# KiCad board cm4-baseboard.kicad_pcb (continued)
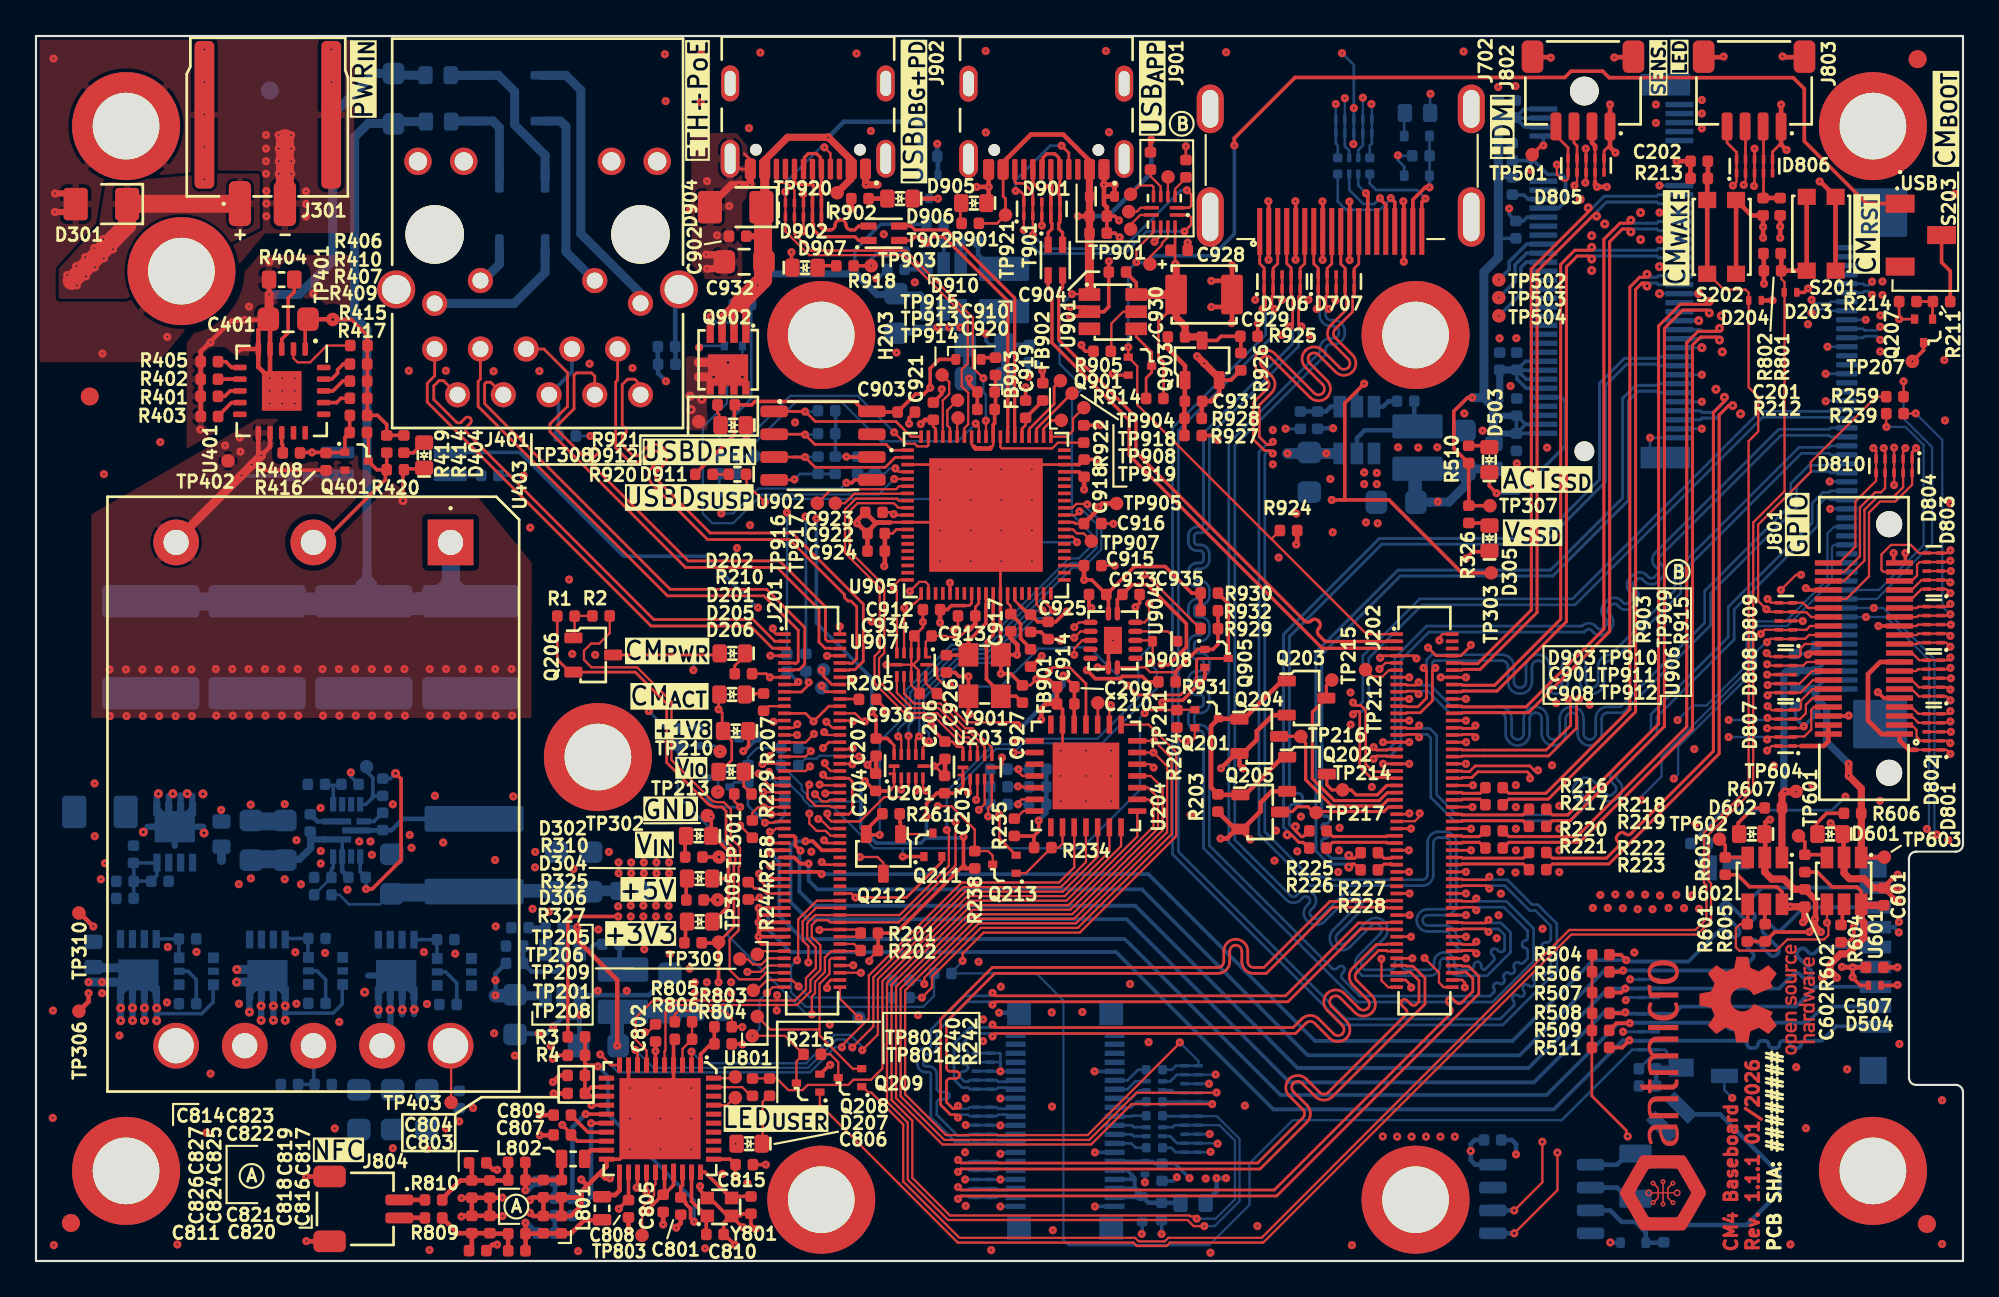
[diagram p0: board, top side]
## Nets
3V3_SSD: C501.2 C502.2 C503.2 C504.2 C505.2 C506.2 J501.2 J501.4 J501.12 J501.14 J501.16 J501.18 J501.70 J501.72 J501.74 R322.2 R326.2 R501.2 R502.2 R503.2 R510.2 TP307.1
+1V8: J201.88 J201.90 Q210.1 R202.2 R262.2 TP210.1
+3V3: C206.2 C207.2 C209.2 C210.2 C507.2 C602.1 C703.2 C802.2 C828.1 C935.2 C936.2 D207.2 D504.2 D711.2 D801.1 D801.10 D805.4 D805.7 D811.2 J401.15 J401.17 J502.4 J701.12 J801.1 J801.17 J802.2 Q206.2 R1.2 R4.2 R230.2 R232.2 R234.2 R235.2 R236.2 R323.2 R327.2 R504.1 R506.1 R507.1 R508.1 R509.1 R511.1 R512.2 R603.1 R802.2 R803.2 R805.2 R924.1 S201.1 S201.2 S202.1 S202.2 TP309.1 U201.11 U203.11 U204.5 U602.6 U801.6 U802.8 U904.14 U907.11
+5V: C601.1 C931.2 D201.2 D205.2 D206.2 D807.1 D807.10 FB701.1 FB702.1 J201.77 J201.79 J201.81 J201.83 J201.85 J201.87 J801.2 J801.4 Q202.2 Q203.2 Q204.2 Q205.2 Q903.2 R3.2 R203.1 R324.2 R325.2 R602.1 R801.2 R902.2 R926.1 R928.2 TP305.1 U601.6
/Ethernet/VDD: C401.2 C404.2 C405.2 C406.2 C407.2 D403.1 FB401.2 R406.2 R407.2 R409.2 R410.2 R414.2 R415.2 R419.2 TP401.1 U401.1 U403.1
/Ethernet/VSS: C401.1 D403.2 FB402.2 R401.1 R402.1 R403.2 R404.1 R405.1 U401.4 U401.5 U401.21
/Supply/VCC_5V: C311.2 R315.1 U303.9
/Supply/VCC_IN: C301.2 Q301.4 Q302.4 Q303.4 Q304.1 Q304.2 Q304.3 Q305.1 Q305.2 Q305.3 Q306.1 Q306.2 Q306.3 Q307.1 Q307.2 Q307.3 R307.2 R308.1 R328.2 TP310.1
/USB/+5V_{CAP}: C904.1 C928.1 C929.1 C930.2 Q903.3 R914.1 R915.2 R925.1 R926.2 U901.6 U906.12
/USB/VCC_PD: C910.1 C920.1 FB903.2 U905.66 U905.69
/USB/VCC_USB: C919.1 FB902.2 U905.62
GND: BT801.2 C201.1 C202.1 C203.1 C204.1 C206.1 C207.1 C209.1 C210.1 C303.2 C304.2 C305.2 C306.2 C307.2 C311.1 C312.2 C313.2 C314.2 C315.2 C316.2 C317.2 C318.2 C402.2 C403.2 C408.2 C409.2 C410.2 C411.2 C501.1 C502.1 C503.1 C504.1 C505.1 C506.1 C507.1 C601.2 C602.2 C603.1 C604.1 C701.1 C702.1 C703.1 C801.1 C802.1 C803.1 C804.2 C805.2 C806.2 C807.2 C808.2 C809.2 C810.1 C815.1 C816.1 C817.2 C818.1 C819.2 C824.1 C825.2 C826.1 C827.2 C828.2 C901.2 C902.1 C903.2 C904.2 C905.2 C907.2 C908.1 C909.2 C910.2 C911.2 C912.2 C913.2 C914.2 C915.2 C916.2 C917.2 C918.2 C919.2 C920.2 C921.2 C922.2 C923.2 C924.1 C925.2 C926.2 C927.2 C928.2 C929.2 C932.2 C933.1 C934.1 C935.1 C936.1 D203.1 D204.1 D301.2 D302.1 D303.2 D304.1 D305.1 D306.1 D501.3 D501.8 D502.1 D502.3 D502.8 D502.10 D504.1 D601.1 D602.1 D603.2 D604.2 D701.3 D701.8 D702.3 D702.8 D703.3 D703.4 D703.5 D703.6 D703.7 D703.8 D704.3 D704.8 D705.3 D705.8 D706.3 D706.8 D707.3 D707.8 D708.3 D708.8 D709.2 D711.1 D712.2 D801.3 D801.8 D802.3 D802.8 D803.3 D803.8 D804.3 D804.8 D805.3 D805.5 D805.6 D805.8 D806.3 D806.5 D806.6 D806.8 D807.3 D807.8 D808.3 D808.8 D809.3 D809.8 D810.3 D810.8 D901.3 D901.8 D902.3 D902.8 D903.2 D904.2 D905.1 D907.1 H101.1 H102.1 H103.1 H104.1 H201.1 H202.1 H203.1 H204.1 H501.1 H701.1 J201.1 J201.2 J201.7 J201.8 J201.13 J201.14 J201.22 J201.23 J201.32 J201.33 J201.42 J201.52 J201.53 J201.59 J201.60 J201.65 J201.66 J201.71 J201.74 J201.98 J202.7 J202.8 J202.13 J202.14 J202.19 J202.20 J202.25 J202.26 J202.31 J202.32 J202.37 J202.38 J202.44 J202.50 J202.55 J202.56 J202.61 J202.62 J202.67 J202.68 J202.73 J202.74 J202.79 J202.80 J202.85 J202.86 J202.91 J202.92 J202.97 J202.98 J301.2 J301.MP J501.1 J501.3 J501.9 J501.15 J501.21 J501.27 J501.33 J501.39 J501.45 J501.51 J501.57 J501.71 J501.73 J501.75 J501.MP1 J501.MP2 J502.6 J502.SH J601.9 J601.12 J601.15 J601.18 J601.27 J601.30 J601.MP1 J601.MP2 J701.1 J701.2 J701.7 J701.13 J701.14 J701.19 J701.25 J701.31 J701.32 J701.MP J702.2 J702.5 J702.8 J702.11 J702.17 J702.SH J801.6 J801.9 J801.20 J801.25 J801.34 J801.39 J802.1 J802.MP J803.1 J803.MP J804.MP J901.A1 J901.A12 J901.B1 J901.B12 J901.SH J902.A1 J902.A12 J902.B1 J902.B12 J902.SH Q201.2 Q207.2 Q208.2 Q210.2 Q211.2 Q213.2 Q214.2 Q901.2 Q904.2 Q905.2 Q906.2 R204.1 R205.1 R210.1 R212.1 R213.1 R214.2 R231.1 R233.1 R237.1 R260.1 R262.1 R263.1 R301.1 R302.1 R303.1 R304.1 R305.1 R306.1 R309.1 R312.1 R314.1 R317.1 R319.1 R321.1 R413.1 R421.2 R423.2 R513.2 R601.1 R604.1 R605.1 R804.1 R806.1 R905.1 R910.1 R913.1 R917.1 R922.1 R925.2 R927.1 R929.2 R934.2 TP302.1 U201.6 U203.6 U204.6 U204.29 U301.1 U302.1 U303.1 U303.11 U403.4 U403.5 U601.2 U602.2 U801.4 U801.9 U801.20 U801.41 U802.4 U901.2 U902.5 U903.1 U904.7 U904.15 U905.3 U905.11 U905.31 U905.55 U905.77 U906.10 U907.2 U907.3 U907.6 U907.9 U907.10 Y801.2 Y801.4 Y901.2 Y901.4
GNDD: C404.1 C405.1 C406.1 C407.1 D404.1 Q401.2 R416.1 R418.1 R420.1 TP402.1 U401.11 U401.12 U403.3
VCC: C302.2 C303.1 C304.1 C305.1 C306.1 C307.1 D303.1 Q307.5 R308.2 R310.2 R311.2 R313.2 TP301.1 U301.3 U302.3 U303.2
/Compute module/BT_nDis: J201.91 TP206.1
/Compute module/CAM_GPIO: J201.97 R208.1 R209.1 TP209.1
/Compute module/CM4_3V3: J201.84 J201.86 R201.2 R244.1
/Compute module/DSI0_C_N: J202.69
/Compute module/DSI0_C_P: J202.71
/Compute module/DSI.CLK_N: D703.1 D703.10 J202.87 J701.27
/Compute module/DSI.CLK_P: D703.2 D703.9 J202.89 J701.29
/Compute module/DSI.D0_N: D702.4 D702.7 J202.75 J701.21
/Compute module/DSI.D0_P: D702.5 D702.6 J202.77 J701.23
/Compute module/DSI.D1_N: D702.1 D702.10 J202.81 J701.15
/Compute module/DSI.D1_P: D702.2 D702.9 J202.83 J701.17
/Compute module/DSI.D2_N: D701.4 D701.7 J202.93 J701.9
/Compute module/DSI.D2_P: D701.5 D701.6 J202.95 J701.11
/Compute module/DSI.D3_N: D701.1 D701.10 J202.94 J701.3
/Compute module/DSI.D3_P: D701.2 D701.9 J202.96 J701.5
/Compute module/DSICtrl.DIM: D705.4 D705.7 R258.1 R706.6
/Compute module/DSICtrl.EN: D705.1 D705.10 R706.8 U204.23
/Compute module/DSICtrl.GPIO: D705.5 D705.6 R706.5 U204.25
/Compute module/DSICtrl.IRQ1: D704.4 D704.7 R705.6 U204.22
/Compute module/DSICtrl.~{IRQ2}: D704.5 D704.6 R705.5 U204.21
/Compute module/DSICtrl.~{RST}: D705.2 D705.9 R706.7 U204.24
/Compute module/ETHERNET.D0_N: J201.10 J401.2
/Compute module/ETHERNET.D0_P: J201.12 J401.1
/Compute module/ETHERNET.D1_N: J201.6 J401.6
/Compute module/ETHERNET.D1_P: J201.4 J401.3
/Compute module/ETHERNET.D2_N: J201.9 J401.8
/Compute module/ETHERNET.D2_P: J201.11 J401.7
/Compute module/ETHERNET.D3_N: J201.5 J401.10
/Compute module/ETHERNET.D3_P: J201.3 J401.9
/Compute module/ETHERNET.LED_ACT: J201.15 R411.2
/Compute module/ETHERNET.LED_LINK: J201.17 R412.2
/Compute module/ExpanderINT: Q213.1 R234.1 U204.16
/Compute module/GPIO.0/SDA0: D803.4 D803.7 J201.36 J801.27 R239.1 R243.1
/Compute module/GPIO.1/SCL0: D809.4 D809.7 J201.35 J801.28 R241.1 R259.1
/Compute module/GPIO.2: D801.2 D801.9 J201.58 J801.3
/Compute module/GPIO.3: D801.4 D801.7 J201.56 J801.5
/Compute module/GPIO.4/TXD3: D801.5 D801.6 J201.54 J801.7 U201.3
/Compute module/GPIO.5/RXD3: D803.5 D803.6 J201.34 J801.29 U201.2
/Compute module/GPIO.6: D804.1 D804.10 J201.30 J801.31
/Compute module/GPIO.7: D809.2 D809.9 J201.37 J801.26
/Compute module/GPIO.8/TXD4: D809.1 D809.10 J201.39 J801.24 U201.5
/Compute module/GPIO.9/RXD4: D803.1 D803.10 J201.40 J801.21 U201.4
/Compute module/GPIO.10: D802.5 D802.6 J201.44 J801.19
/Compute module/GPIO.11: D803.2 D803.9 J201.38 J801.23
/Compute module/GPIO.12/RXD5: D810.1 D810.10 J201.31 J801.32 U203.4
/Compute module/GPIO.13/TXD5: D804.2 D804.9 J201.28 J801.33 U203.5
/Compute module/GPIO.14/RXD0: D807.2 D807.9 J201.51 J801.8 U203.2
/Compute module/GPIO.15/TXD0: D807.4 D807.7 J201.55 J801.10 U203.3
/Compute module/GPIO.16: D810.2 D810.9 J201.29 J801.36
/Compute module/GPIO.17: D802.1 D802.10 J201.50 J801.11 Q212.3
/Compute module/GPIO.18: D807.5 D807.6 J201.49 J801.12 R258.2
/Compute module/GPIO.19: D804.4 D804.7 J201.26 J801.35
/Compute module/GPIO.20: D810.4 D810.7 J201.27 J801.38
/Compute module/GPIO.21: D810.5 D810.6 J201.25 J801.40
/Compute module/GPIO.22: D802.4 D802.7 J201.46 J801.15
/Compute module/GPIO.23: D808.2 D808.9 J201.47 J801.16 Q213.3 R238.2
/Compute module/GPIO.24: D808.4 D808.7 J201.45 J801.18
/Compute module/GPIO.25: D808.5 D808.6 J201.41 J801.22
/Compute module/GPIO.26: D804.5 D804.6 J201.24 J801.37
/Compute module/GPIO.27: D802.2 D802.9 J201.48 J801.13
/Compute module/GPIO.AIN0: D809.5 D809.6 J201.96 J801.30
/Compute module/GPIO.AIN1: D808.1 D808.10 J201.94 J801.14
/Compute module/HDMI.CEC: D708.2 D708.9 J202.51 R701.3
/Compute module/HDMI.CLK_N: D707.5 D707.6 J202.90 J702.12
/Compute module/HDMI.CLK_P: D707.4 D707.7 J202.88 J702.10
/Compute module/HDMI.D0_N: D707.2 D707.9 J202.84 J702.9
/Compute module/HDMI.D0_P: D707.1 D707.10 J202.82 J702.7
/Compute module/HDMI.D1_N: D706.5 D706.6 J202.78 J702.6
/Compute module/HDMI.D1_P: D706.4 D706.7 J202.76 J702.4
/Compute module/HDMI.D2_N: D706.2 D706.9 J202.72 J702.3
/Compute module/HDMI.D2_P: D706.1 D706.10 J202.70 J702.1
/Compute module/HDMI.HPD: D708.1 D708.10 J202.53 R701.4
/Compute module/HDMI.SCL: D708.4 D708.7 J202.100 R701.2
/Compute module/HDMI.SDA: D708.5 D708.6 J202.99 R701.1
/Compute module/nEXTRST: J201.100 TP202.1
/Compute module/NFC.DWL_REQ: U204.19 U801.2
/Compute module/NFC.EN: U204.17 U801.10
/Compute module/NFC.IRQ: U204.18 U801.8
/Compute module/NFC.WKUP_REQ: R240.2 U801.39
/Compute module/NVMe.CLK_N: J202.12 J501.53
/Compute module/NVMe.CLK_P: J202.10 J501.55
/Compute module/NVMe.RX0_N: J202.18 J501.41
/Compute module/NVMe.RX0_P: J202.16 J501.43
/Compute module/NVMe.RX1_N: J501.29 R219.1
/Compute module/NVMe.RX1_P: J501.31 R218.1
/Compute module/NVMe.RX2_N: J501.17 R225.2
/Compute module/NVMe.RX2_P: J501.19 R226.2
/Compute module/NVMe.RX3_N: J501.5 R223.1
/Compute module/NVMe.RX3_P: J501.7 R222.1
/Compute module/NVMe.TX0_N: J202.24 J501.47
/Compute module/NVMe.TX0_P: J202.22 J501.49
/Compute module/NVMe.TX1_N: J501.35 R217.1
/Compute module/NVMe.TX1_P: J501.37 R216.1
/Compute module/NVMe.TX2_N: J501.23 R221.1
/Compute module/NVMe.TX2_P: J501.25 R220.1
/Compute module/NVMe.TX3_N: J501.11 R227.2
/Compute module/NVMe.TX3_P: J501.13 R228.2
/Compute module/NVMe.~{CLK_REQ}: J202.2 J501.52 R502.1
/Compute module/NVMe.~{RST}: J202.9 J501.50 R501.1
/Compute module/NVMe_EN: TP303.1 U204.2 U301.5
/Compute module/Pf_5V.CEC: J202.49 Q205.3 TP217.1
/Compute module/Pf_5V.HPD: J202.43 Q202.3 TP214.1
/Compute module/Pf_5V.SCL: J202.47 Q204.3 TP216.1
/Compute module/Pf_5V.SDA: J202.45 Q203.3 TP215.1
/Compute module/PolarfireID: J201.43 Q201.1 Q211.1 R204.2 R260.2
/Compute module/R1_N: J202.54 R219.2
/Compute module/R1_P: J202.52 R218.2
/Compute module/R2_N: J202.57 R225.1
/Compute module/R2_P: J202.59 R226.1
/Compute module/R3_N: J202.66 R223.2
/Compute module/R3_P: J202.64 R222.2
/Compute module/RUN_PG: J201.92 Q209.2 TP201.1
/Compute module/SDIO.CD: D501.1 D501.10 R206.2 R505.2 U204.1
/Compute module/SDIO.CLK: D502.2 D502.9 J201.57 J502.5 R507.2
/Compute module/SDIO.CMD: D501.5 D501.6 J201.62 J502.3 R508.2
/Compute module/SDIO.D0: D502.4 D502.7 J201.63 J502.7 R506.2
/Compute module/SDIO.D1: D502.5 D502.6 J201.67 J502.8 R504.2
/Compute module/SDIO.D2: D501.2 D501.9 J201.69 J502.1 R511.2
/Compute module/SDIO.D3: D501.4 D501.7 J201.61 J502.2 R509.2
/Compute module/SYNC_IN: J201.16 TP203.1
/Compute module/SYNC_OUT: J201.18 TP204.1
/Compute module/T1_N: J202.48 R217.2
/Compute module/T1_P: J202.46 R216.2
/Compute module/T2_N: J202.60 R221.2
/Compute module/T2_P: J202.58 R220.2
/Compute module/T3_N: J202.63 R227.1
/Compute module/T3_P: J202.65 R228.1
/Compute module/UART.0.RX: U203.10 U905.8
/Compute module/UART.0.TX: U203.9 U905.9
/Compute module/UART.1.RX: U203.8 U907.7
/Compute module/UART.1.TX: U203.7 U907.8
/Compute module/UART.2.RX: U201.8 U905.36
/Compute module/UART.2.TX: U201.7 U905.37
/Compute module/UART.3.RX: U201.10 U905.48
/Compute module/UART.3.TX: U201.9 U905.49
/Compute module/USB.D_N: J202.3 T901.3
/Compute module/USB.D_P: J202.5 T901.2
/Compute module/USB.OTGID: J202.1 Q901.1 R924.2 S203.1 U906.9
/Compute module/USBA_VBUS: C901.1 C908.2 D903.1 J901.A4 J901.A9 J901.B4 J901.B9 Q212.2 R261.2 R901.2 R903.1 TP921.1 U901.1
/Compute module/VDAC_COMP: J202.11 TP212.1
/Compute module/WL_nDis: J201.89 TP205.1
/Compute module/~{EEPROM_WP}: J201.20 R205.2
/Compute module/~{POE EN}: U204.4 U402.1
/Compute module/~{PWR_LED}: J201.95 R2.1
/Compute module/~{RPi_BOOT}: J201.93 Q207.3 TP207.1
/Compute module/~{RPi_RST}: J201.99 Q208.3 R215.2 TP208.1
/CSI/CamCtrl.EN: R601.2 U204.26 U601.4 U602.4
/CSI/CamCtrl.VSYNC0: J601.32 R208.2 U204.27
/CSI/CamCtrl.VSYNC1: J601.34 R209.2 U204.28
/CSI/CSI0.CLK_N: J202.40 J601.10
/CSI/CSI0.CLK_P: J202.42 J601.11
/CSI/CSI0.D0_N: J202.28 J601.7
/CSI/CSI0.D0_P: J202.30 J601.8
/CSI/CSI0.D1_N: J202.34 J601.5
/CSI/CSI0.D1_P: J202.36 J601.6
/CSI/CSI1.CLK_N: J202.27 J601.28
/CSI/CSI1.CLK_P: J202.29 J601.29
/CSI/CSI1.D0_N: J202.15 J601.25
/CSI/CSI1.D0_P: J202.17 J601.26
/CSI/CSI1.D1_N: J202.21 J601.23
/CSI/CSI1.D1_P: J202.23 J601.24
/CSI/CSI1.D2_N: J202.33 J601.21
/CSI/CSI1.D2_P: J202.35 J601.22
/CSI/CSI1.D3_N: J202.39 J601.19
/CSI/CSI1.D3_P: J202.41 J601.20
/CSI/CSI_3V3: C603.2 D603.1 J601.47 J601.48 R607.2 TP604.1 U602.1
/CSI/CSI_5V: C604.2 D604.1 J601.49 J601.50 R606.2 TP603.1 U601.1
/CSI/I_{2}C1.SCL: D704.2 D704.9 D805.1 D805.10 D806.1 D806.10 J201.80 J601.42 J802.4 J803.4 R705.7 U204.8 U801.7 U802.6 U904.13
/CSI/I_{2}C1.SDA: D704.1 D704.10 D805.2 D805.9 D806.2 D806.9 D908.2 J201.82 J601.41 J802.3 J803.3 R705.8 U204.9 U801.5 U802.5 U904.11
/CSI/I_{2}C_CSI0.SCL: J601.40 R259.2
/CSI/I_{2}C_CSI0.SDA: J601.39 R239.2
/Display/CEC: J702.13 R701.6
/Display/HPD: J702.19 R701.5
/Display/SCL: J702.15 R701.7
/Display/SDA: J702.16 R701.8
/Ethernet/AMPS_CTL: R401.2 U401.8
/Ethernet/CLSA: R404.2 U401.3
/Ethernet/CLSB: R405.2 U401.6
/Ethernet/DEN: R406.1 U401.2
/Ethernet/MPS_DUTY: R403.1 U401.9
/Ethernet/PAIR_12: D401.3 J401.11
/Ethernet/PAIR_36: D401.4 J401.12
/Ethernet/PAIR_78: D402.4 J401.13
/Ethernet/PAIR_910: D402.3 J401.14
/Ethernet/PG: R408.2 U401.13
/Ethernet/POE_12V: C408.1 C409.1 C410.1 C411.1 Q302.6 Q305.5 R422.1 TP403.1 U403.7 U403.8
/Ethernet/POE_ACTIVE: Q401.1 R408.1 R415.1 R416.2 R417.2 U402.4
/Ethernet/REF: R402.2 U401.7
/Ethernet/TPH: R407.1 U401.18
/Ethernet/TPL: R409.1 U401.17
/Ethernet/ULS-12_CTRL: Q401.3 R417.1 R419.1 R420.2 U403.2
/Ethernet/~{BT}: R410.1 U401.19
/Peripherals/VLED: D806.4 D806.7 J803.2 R801.1 R802.1
/Supply/EN_3V3: R311.1 R312.2 U302.5
/Supply/EN_5V: R313.1 R314.2 U303.3
/Supply/FB_3V3: R320.1 R321.2 U302.4
/Supply/FB_5V: R316.1 R317.2 U303.12
/Supply/FB_M2: R318.1 R319.2 U301.4
/Supply/OUT_3V3: C314.1 C317.1 L302.2 R320.2 R323.1
/Supply/OUT_5V: C312.1 C315.1 C318.1 L303.2 R316.2 R324.1
/Supply/OUT_M2: C313.1 C316.1 L301.2 R318.2 R322.1
/Supply/SW_3V3: C309.1 L302.1 U302.2
/Supply/SW_5V: C310.1 L303.1 U303.8
/Supply/SW_M2: C308.1 L301.1 U301.2
/Supply/V_{BUS}: Q303.6 Q306.5 Q902.5 TP308.1
/USB/AD_N: D901.5 D901.6 J901.A7 J901.B7 T901.4
/USB/AD_P: D901.4 D901.7 J901.A6 J901.B6 T901.1
/USB/BDBUS0: U904.2 U905.19 U907.5
/USB/BDBUS1: U904.3 U905.20 U907.4
/USB/BDBUS2: U904.4 U905.21
/USB/DD_N: D902.5 D902.6 J902.A7 J902.B7 T902.4
/USB/DD_P: D902.4 D902.7 J902.A6 J902.B6 T902.1
/USB/EECLK: R908.2 U902.2 U905.1
/USB/EECS: R911.2 U902.1 U905.76
/USB/EEDATA: R907.2 U902.3 U905.2
/USB/EN_FTDI: R909.1 R910.2 U903.5
/USB/FB_FTDI: R912.1 R913.2 U903.4
/USB/I2C_EN: R931.2 U905.24
/USB/OUT_FTDI: C907.1 C911.1 L901.2 R912.2 R918.2 R919.1 TP903.1
/USB/SW_FTDI: C906.1 L901.1 U903.2
/USB/USB_1V2: C912.1 C914.1 C916.1 C921.1 C923.1 C925.1 TP905.1 U905.10 U905.27 U905.33 U905.47 U905.74
/USB/USB_3V3: C903.1 C913.1 C915.1 C918.1 C922.1 C924.2 C933.2 C934.2 D910.2 FB901.1 FB902.1 R906.1 R908.1 R911.1 R919.2 R920.2 R921.2 R923.2 R930.1 R932.2 U902.6 U902.8 U904.1 U905.12 U905.28 U905.41 U905.54 U907.1
/USB/USBA_CC1: D901.1 D901.10 J901.A5 U906.1
/USB/USBA_CC2: D901.2 D901.9 J901.B5 U906.2
/USB/USBA_OUT_EN: Q901.3 R914.2 U901.4
/USB/USBD.D_N: T902.3 U905.63
/USB/USBD.D_P: T902.2 U905.64
/USB/USBD_CC1: D902.1 D902.10 J902.A5 U905.70
/USB/USBD_CC2: D902.2 D902.9 J902.B5 U905.67
/USB/USBD_IN_EN: Q904.1 U905.5
/USB/USBD_SVBUS: C909.1 R916.2 R917.2 TP902.1 U905.68
/USB/USBD_VBUS: C902.2 C905.1 C932.1 D904.1 J902.A4 J902.A9 J902.B4 J902.B9 Q902.1 Q902.2 Q902.3 R904.1 R909.2 R916.1 R933.1 TP920.1 U903.3
/USB/VREGIN: C917.1 FB901.2 U905.32
V_{IO}: C203.2 C204.2 J201.78 Q214.1 R201.1 R202.1 R238.1 R241.2 R243.2 R263.2 TP213.1 U201.1 U201.12 U203.1 U203.12
Net-(BT801-+): BT801.1 R811.1
Net-(C403-Pad1): C403.1 J401.19 J401.20 R413.2
Net-(C811-Pad2): C811.2 C820.1 C821.2 C824.2 C826.2 R809.1
Net-(C812-Pad2): C812.2 R807.2
Net-(C813-Pad2): C813.2 R808.1
Net-(C814-Pad2): C814.2 C822.2 C823.1 C825.1 C827.1 R810.1
Net-(C816-Pad2): C816.2 C818.2 C820.2 C821.1 L801.2 R807.1
Net-(C817-Pad1): C817.1 C819.1 C822.1 C823.2 L802.2 R808.2
Net-(D201-C): D201.1 R207.2
Net-(D202-A): D202.2 Q206.3
Net-(D202-C): D202.1 R210.2
Net-(D203-A): C201.2 D203.2 Q208.1 R212.2 S201.3 S201.4
Net-(D204-A): C202.2 D204.2 Q209.1 R213.2 S202.3 S202.4
Net-(D205-C): D205.1 R224.2
Net-(D206-C): D206.1 R229.2
Net-(D207-C): D207.1 R242.2
Net-(D301-C): D301.1 J301.1 Q301.6 Q304.5 R328.1 TP306.1
Net-(D302-A): D302.2 R310.1
Net-(D304-A): D304.2 R325.1
Net-(D305-A): D305.2 R326.1
Net-(D306-A): D306.2 R327.1
Net-(D401-Pad1): D401.1 D402.1 FB402.1
Net-(D401-Pad2): D401.2 D402.2 FB401.1
Net-(D404-A): D404.2 R414.1
Net-(D503-A): D503.2 R510.1
Net-(D503-C): D503.1 J501.10
Net-(D601-A): D601.2 R606.1
Net-(D602-A): D602.2 R607.1
Net-(D709-C): C701.2 D709.1 FB702.2 J701.4 J701.6 J701.8 J701.10
Net-(D710-A): D710.2 FB701.2
Net-(D710-C): C702.2 D710.1 D712.1 J702.18
Net-(D811-C): D811.1 R811.2 U802.3
Net-(D905-A): D905.2 R901.1
Net-(D906-A): D906.2 R902.1
Net-(D906-C): D906.1 Q906.3
Net-(D907-A): D907.2 R918.1
Net-(D908-C): D908.1 U904.12
Net-(D910-C): D910.1 FB903.1
Net-(D911-A): D911.2 R920.1
Net-(D911-C): D911.1 U905.45
Net-(D912-A): D912.2 R921.1
Net-(D912-C): D912.1 U905.75
Net-(J201-Pad21): J201.21 R207.1
Net-(J201-Pad73): J201.73 R244.2
Net-(J201-Pad76): J201.76 R206.1
Net-(J401-LED_GRN-): J401.16 R412.1
Net-(J401-LED_YEL-): J401.18 R411.1
Net-(J401-P4): C402.1 J401.4 J401.5
Net-(J501-ALERT): J501.44 TP502.1
Net-(J501-SMB_CLK): J501.40 TP504.1
Net-(J501-SMB_DATA): J501.42 TP503.1
Net-(J501-SUSCLK): J501.68 TP501.1
Net-(J501-~{PEWAKE}): J501.54 R503.1
Net-(J502-CD1): J502.9 R512.1
Net-(J502-CD2): J502.10 R505.1 R513.1
Net-(J804-Pad1): J804.1 R810.2
Net-(J804-Pad2): J804.2 R809.2
Net-(Q201-D): Q201.3 Q202.1 Q203.1 Q204.1 Q205.1 R203.2
Net-(Q206-G): Q206.1 R1.1 R2.2
Net-(Q207-G): Q207.1 R211.2 R214.1
Net-(Q209-D): Q209.3 R215.1
Net-(Q210-D): Q210.3 R224.1
Net-(Q211-D): Q211.3 Q212.1 R261.1
Net-(Q214-D): Q214.3 R229.1
Net-(Q301-BIAS): Q301.3 Q304.4 R304.2
Net-(Q301-REF): Q301.2 R301.2
Net-(Q302-BIAS): Q302.3 Q305.4 R305.2
Net-(Q302-REF): Q302.2 R302.2
Net-(Q303-BIAS): Q303.3 Q306.4 R306.2
Net-(Q303-REF): Q303.2 R303.2
Net-(Q307-G): C301.1 C302.1 Q307.4 R307.1 R309.2
Net-(Q902-G): Q902.4 Q904.3 R904.2
Net-(Q903-G): C930.1 C931.1 Q903.1 R927.2 R928.1
Net-(Q905-D): Q905.3 R930.2 U907.12
Net-(Q905-G): Q905.1 R929.1 R931.1 R932.1 U904.8
Net-(Q906-G): Q906.1 R933.2 R934.1
Net-(R211-Pad1): R211.1 S203.2
Net-(R418-Pad2): R418.2 U402.3
Net-(R421-Pad1): R421.1 U402.2
Net-(R705-R1.1): J701.16 R705.1
Net-(R705-R2.1): J701.18 R705.2
Net-(R705-R3.1): J701.20 R705.3
Net-(R705-R4.1): J701.22 R705.4
Net-(R706-R1.1): J701.24 R706.1
Net-(R706-R2.1): J701.26 R706.2
Net-(R706-R3.1): J701.28 R706.3
Net-(R706-R4.1): J701.30 R706.4
Net-(U204-A0): R236.1 R237.2 U204.11
Net-(U204-A1): R232.1 R233.2 U204.12
Net-(U204-A2): R230.1 R231.2 U204.13
Net-(U204-GPA3): R240.1 R242.1 U204.20
Net-(U204-GPB6): TP211.1 U204.3
Net-(U204-~{RESET}): R235.1 U204.14
Net-(U301-BST): C308.2 U301.6
Net-(U302-BST): C309.2 U302.6
Net-(U303-BST): C310.2 U303.7
Net-(U303-PG): R315.2 TP304.1 U303.6
Net-(U403-TRIM): R422.2 R423.1 U403.6
Net-(U601-FLG): R602.2 TP601.1 U601.3
Net-(U601-ISET): R604.2 U601.5
Net-(U602-FLG): R603.2 TP602.1 U602.3
Net-(U602-ISET): R605.2 U602.5
Net-(U801-ANT1): C811.1 U801.23
Net-(U801-ANT2): C814.1 U801.24
Net-(U801-CLK_REQ): TP802.1 U801.40
Net-(U801-CLK_XTAL1): C815.2 U801.30 Y801.3
Net-(U801-DCDC_EN): TP801.1 U801.37
Net-(U801-I2C_ADR0): R803.1 R804.2 U801.1
Net-(U801-I2C_ADR1): R805.1 R806.2 U801.3
Net-(U801-RXN): C813.1 U801.15
Net-(U801-RXP): C812.1 U801.16
Net-(U801-TVDD_IN): C807.1 C808.1 U801.14 U801.18 U801.22
Net-(U801-TX1): L801.1 U801.21
Net-(U801-TX2): L802.1 U801.19
Net-(U801-V_{DD(A)}): C805.1 C806.1 U801.26 U801.27 U801.31
Net-(U801-V_{DD(HF)}): TP803.1 U801.25
Net-(U801-V_{DD(UP)}): C801.2 C803.2 C804.1 R3.1 R4.1 U801.12 U801.13 U801.28
Net-(U801-V_{DD(VMID)}): C809.1 U801.17
Net-(U801-XTAL2): C810.2 U801.29 Y801.1
Net-(U802-X1): U802.1 Y802.1
Net-(U802-X2): U802.2 Y802.2
Net-(U901-ISET): R905.2 U901.5
Net-(U902-DO): R906.2 R907.1 U902.4
Net-(U903-BST): C906.2 U903.6
Net-(U905-GPIO0): TP904.1 U905.61
Net-(U905-GPIO1): TP918.1 U905.60
Net-(U905-GPIO2): TP919.1 U905.59
Net-(U905-GPIO4): TP916.1 U905.6
Net-(U905-GPIO5): TP917.1 U905.7
Net-(U905-GPIO6): TP907.1 U905.46
Net-(U905-GPIO7): TP908.1 U905.58
Net-(U905-OSCI): C926.1 U905.29 Y901.1
Net-(U905-OSCO): C927.1 U905.30 Y901.3
Net-(U905-PD2_CC1): TP914.1 U905.71
Net-(U905-PD2_CC2): TP915.1 U905.73
Net-(U905-PD2_SVBUS): TP913.1 U905.72
Net-(U905-REF): R922.2 U905.65
Net-(U905-~{RESET}): R923.1 TP906.1 U905.4
Net-(U906-CURRENT_MODE): R915.1 U906.3
Net-(U906-DIR): TP901.1 U906.11
Net-(U906-OUT1): TP911.1 U906.7
Net-(U906-OUT2): TP912.1 U906.8
Net-(U906-PORT): TP909.1 U906.4
Net-(U906-VBUS_DET): R903.2 U906.5
Net-(U906-~{VCONN_FAULT}): TP910.1 U906.6

Pads without a net: J201 19 64 68 70 72 75; J202 4 6; J501 6 8 20 22 24 26 28 30 32 34 36 38 46 48 56 58 67 69; J601 1 2 3 4 13 14 16 17 31 33 35 36 37 38 43 44 45 46; J701 33 34 35 36 37 38 39 40; J702 14; J901 A8 B8; J902 A8 B8; Q301 1 5; Q302 1 5; Q303 1 5; S203 3; U204 7 10 15; U303 4 5 10; U401 10 14 15 16 20; U801 11 32 33 34 35 36 38; U802 7; U901 3; U902 7; U904 5 6 9 10; U905 13 14 15 16 17 18 22 23 25 26 34 35 38 39 40 42 43 44 50 51 52 53 56 57

## Via types
v1: diameter 0.45, hole 0.1, Top to Bottom, 1042 vias
v2: diameter 0.5, hole 0.15, Top to Bottom, 74 vias
v3: diameter 0.45, hole 0.15, Top to Bottom, 13 vias

## Routing (per net, layer and track width the routed paths; a pad name or vN(x,y) marks a point on that pad's centre or on a via; arc(x,y) is an arc through that point)
3V3_SSD: length 54.8
  Top w0.2: 79.56,41.94 79.56,43.24 79.55,43.25 79.55,44.29 78.72,45.12 78.72,47.16 79.48,47.92 v1(79.75,47.92) ; TP307.1 79.57,41.92
  Bottom w0.2: J501.18 82.71,49.95 82.22,49.47 ; J501.14 82.74,48.95 82.22,49.47 ; J501.12 82.75,48.45 82.22,48.97 82.22,49.47 ; 81.2,62.02 81.23,62.06 81.97,62.06 ; 81.2,56.17 81.2,56.77 82.17,56.77 ; 82.2,46.89 82.2,45.93 82.71,46.45 ; J501.74 82.63,63.95 82.15,63.47 82.67,62.95 J501.70 ; J501.4 82.71,46.45 ; 82.71,46.45 82.24,46.92 ; 81.2,60.97 81.2,60.16 81.97,60.16 ; J501.2 82.26,45.95 ; J501.16 82.27,49.45 ; J501.72 82.17,63.45
  Bottom w0.35: 82.2,45.93 80.95,45.93 ; 82.22,46.92 80.98,46.92 80.92,46.97
  Bottom w0.4: 82.22,49.47 81.27,49.47 81.27,47.75 80.92,47.4
  Bottom w0.5: 80.4,47.92 80.4,54.9 81.2,55.7 81.2,63.47 82.15,63.47 ; 80.4,47.92 80.92,47.4 80.92,45.4 ; 80.4,47.92 v1(79.75,47.92)
+1V8: length 27.5
  Top w0.127: J201.88 45.42,17.6 45.78,17.23 ; 45.75,17.2 J201.90 44.16,17.2 43.8,16.84 43.8,16.04 43.26,15.49 43.26,14.86 43.08,14.69 v1(43.08,13.69)
  Bottom w0.127: v1(43.08,13.69) 42.8,13.69 38.39,18.1 38.39,23.07 35.63,25.82 R262.2
  Bottom w0.15: R262.2 Q210.1 37.67,28.6 TP210.1
  vias: v1(37.98,28.27)
+3V3: length 252.6
  Top w0.127: D801.10 D801.1 106.08,28.38 v1(106.3,28.15) ; U907.11 49.4,32.08 49.98,31.5 C936.2 51.63,29.9 54.35,29.9 v1(54.5,29.75) ; R805.2 35.47,13.68 35.67,13.88 38.24,13.88 38.63,13.49 R803.2 ; 104.42,28.38 105.06,28.38
  Top w0.15: 86.39,11.85 86.39,9.16 88.3,7.25 88.3,6.92 v3(88.38,6.92) ; R1.2 28.94,33.39 29.64,32.69 Q206.2 33.27,32.69 35.02,30.94 35.02,27.67 37.26,25.43 37.32,25.37 37.44,25.29 37.58,25.23 37.72,25.21 37.8,25.2 38.08,25.2 38.32,24.97 38.32,23.31 38.83,22.8 38.83,22.05 38.75,21.98 38.75,18.55 TP309.1 ; 86.57,59.9 D805.4 D805.7 86.57,61.72 ; U203.11 51.47,28.48 51.4,28.55 51.15,28.55 50.87,28.83 C206.2 ; 47.47,28.8 47.65,28.63 U201.11 ; 86.4,17 86.4,11.86
  Top w0.2: v1(28.69,11.23) 28.88,11.42 R4.2 ; v1(39.22,12.98) 39.2,13 38.63,13 ; 55.41,23.59 55.41,23.6 55.41,22.95 ; 55.41,23.59 54.33,23.59 ; 55.41,23.59 55.67,23.86 v1(55.67,24.45) ; D504.2 101.3,15.3 100.87,15.72 v1(100.87,16.3) ; TP309.1 37.9,15.53 37.85,15.47 ; 93.8,21.44 94.48,21.44 95.14,20.78 96.66,20.78 96.95,20.49 U602.6 ; 50.42,28.88 49.71,29.59 v1(49.71,29.75) ; U204.5 57.65,30.92 ; v1(62.5,33.1) 62.9,33.1 63.88,34.08 63.88,35.37 61.7,37.54 60.86,37.54 C935.2 60.04,36.72 U904.14 ; 36.98,17.65 37.9,17.65 ; 57.66,30.92 57.66,31.89 v1(57.05,32.5) ; v1(46.4,30.47) 46.65,30.23 46.65,29.01 47.27,29.01 47.47,28.8 ; U801.6 C802.2
  Top w0.254: R924.1 70.03,39.83 v1(69.97,39.78) ; 101.62,16.3 v1(100.87,16.3) 100.3,16.3 v1(100.27,16.32) ; 86.4,62.95 86.4,62.07 86.57,61.9 86.57,61.72 ; S201.2 S201.1 99.07,59.93 v1(99.04,59.93) ; 104.42,28.38 104,28.38 103.48,28.9 J801.1 102.47,29.25 101.73,30 101.73,32.57 102.4,33.25 J801.17 ; 86.57,59.9 86.57,59.73 v1(86.67,59.62) v1(87.22,59.62) ; S202.2 S202.1 95.26,58.04 95.9,58.04 v1(95.9,57.4) v1(95.9,56.8)
  Top w0.4: v1(98.12,18.81) 98.22,18.91 98.22,19.67 97.08,19.67 U602.6
  In2.Cu w0.15: v1(43.33,41.21) 43.33,41.55 40.5,44.38 40.5,50.12 39.47,51.15 39.47,56.89 37.86,58.5 37.03,58.5 J401.15 33.53,62.01 24.71,62.01 J401.17
  In2.Cu w0.254: v1(69.97,39.78) 67.72,39.78 62.2,34.25 ; 62.5,34.55 62.5,34.17 ; 62.5,34.17 v1(62.5,33.1) ; 62.5,34.17 62.28,34.17 62.2,34.25 ; 62.2,34.25 57.53,29.58 55.62,29.58 55.45,29.75 v1(54.5,29.75)
  In2.Cu w0.4: 37.9,14.92 38.55,15.57 38.55,28.83 40.22,30.5 46.38,30.5 v1(46.4,30.47) 47.13,29.75 v1(54.5,29.75) 55.35,29.75 55.59,29.51 55.67,29.51 55.67,29.5 v1(55.67,24.45) ; v1(49.71,29.75) 50.02,29.75
  In2.Cu w0.6: v3(78.78,6.9) v3(77.98,6.9) v3(77.18,6.9) v3(76.38,6.9) v3(75.58,6.9) 74.79,6.9 v3(74.78,6.91)
  In3.Cu w0.75: v3(74.78,6.91) 78.77,6.91 v3(78.78,6.9)
  Bottom w0.15: v1(100.48,25.78) 99.72,25.02 93.71,25.02 91.86,23.17
  Bottom w0.2: J701.12 61.57,5.53 ; v1(46.4,30.47) 46.4,32.35 43.33,35.42 v1(43.33,41.21) ; D711.2 62,5.52 62.11,5.41 63.24,5.41 v1(64.05,4.6)
  Bottom w0.254: v1(100.27,16.32) 101.08,16.32 ; 101.08,16.32 100.9,16.32 v1(100.87,16.3) v1(100.87,15.75) ; 101.08,16.32 102.14,16.32 ; v1(57.05,32.5) 57.05,31.96 54.84,29.75 v1(54.5,29.75) ; v1(55.67,24.45) 56.1,24.88 R236.2 ; U802.8 79.92,5.35 79.67,5.6 v3(79.67,6.11) 79.67,6.49 79.9,6.72 C828.1 ; v3(87.42,1.03) 87.43,1.02 D811.2
  Bottom w0.4: v1(54.5,29.75) 54.55,29.7
  vias: v1(34.4,11.65) v1(36.58,15.47) v1(36.58,14.88) v1(37.25,15.47) v1(37.25,14.88) v1(37.9,15.47) v1(37.9,14.88) v1(38.6,15.47) v1(38.6,14.88) v1(38.85,6.5) v1(97.41,19.67)
